# KiCad board mainboard.kicad_pcb (continued)
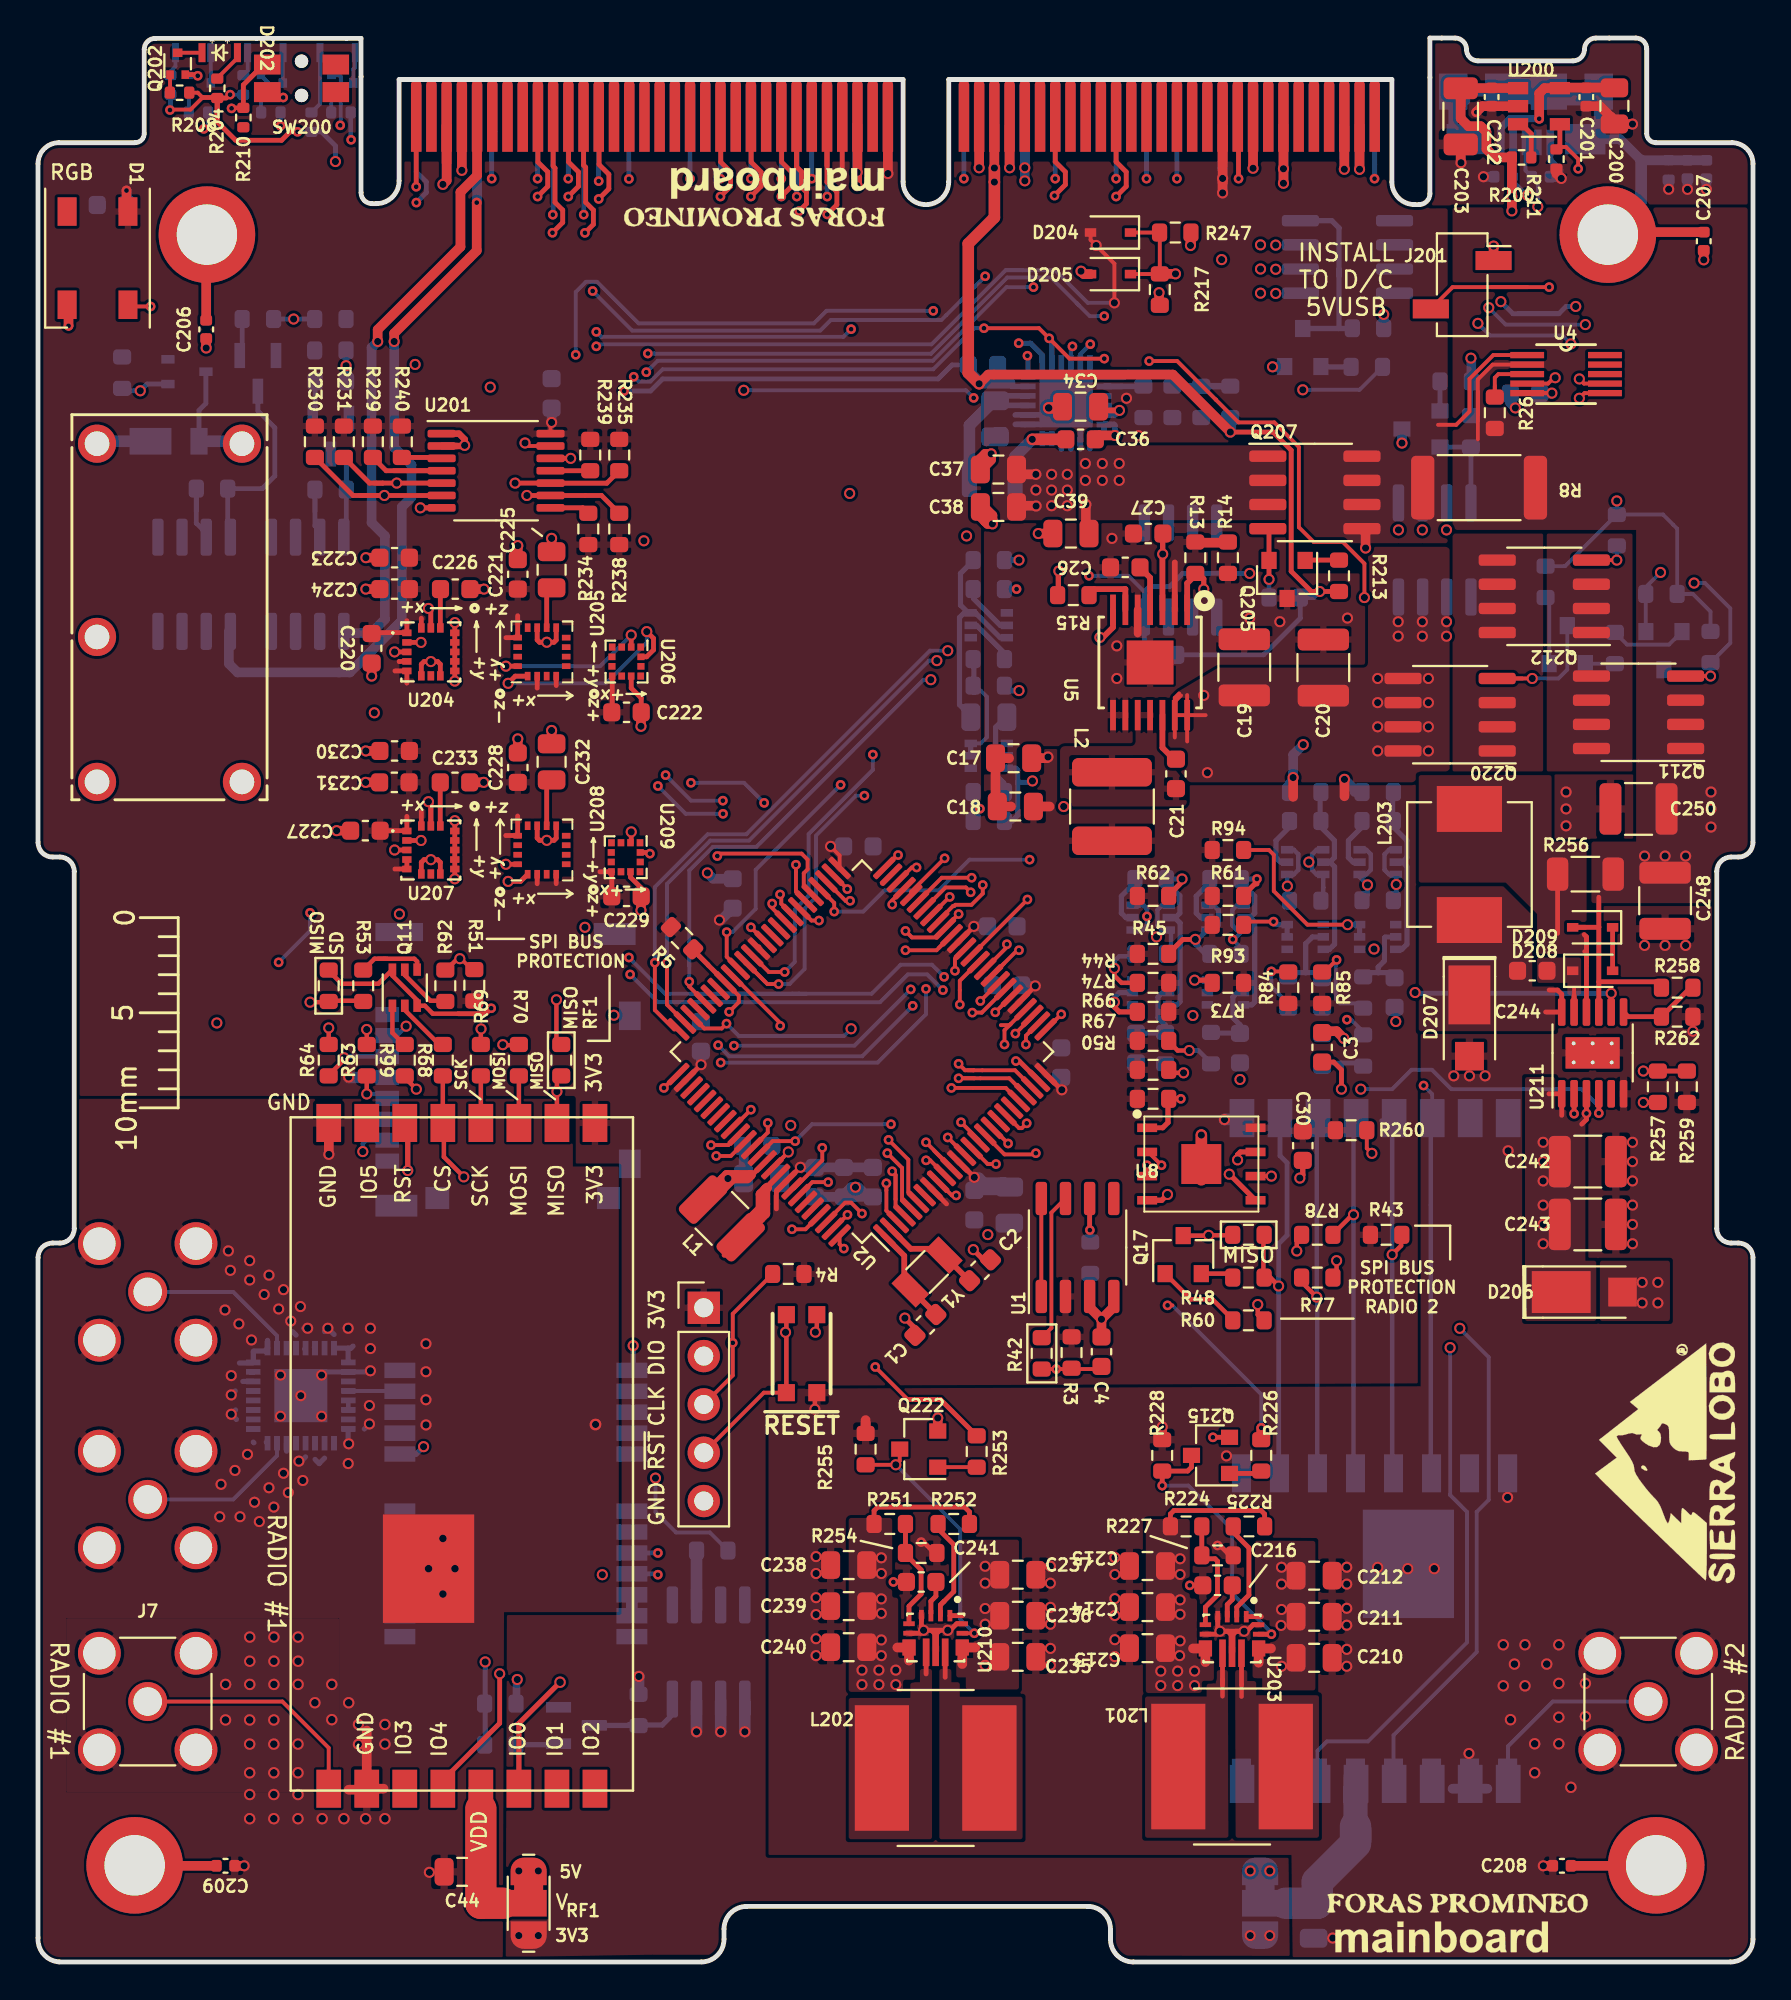
[diagram p0: board, top side]
## Routing (per net, layer and track width the routed paths; a pad name or vN(x,y) marks a point on that pad's centre or on a via; arc(x,y) is an arc through that point) (continued)
Net-(D4-PadA): length 6.2
  Bottom w0.254: 8.38,80.02 D4.A 8.46,81.57 8.83,81.94 Q6.3
  Bottom w0.61: U16.5 10.59,79.95 D4.A
Net-(D200-Pad1): length 1.6
  Bottom w0.203: Q200.3 D200.1
Net-(D200-Pad2): length 1.4
  Bottom w0.203: D200.2 7.22,99.65 6.96,99.39 R202.2 7.06,99.19
Net-(D201-Pad1): length 1.6
  Bottom w0.203: Q201.3 12.87,100.36 D201.1
Net-(D201-Pad2): length 1.3
  Bottom w0.203: R203.2 11.02,99.42 D201.2
Net-(D202-Pad1): length 1.3
  Top w0.203: D202.1 8.62,100.37 Q202.3
Net-(D202-Pad2): length 1.8
  Top w0.203: R204.2 9.42,99.03 10.48,100.09 D202.2
Net-(D203-Pad1): length 1.6
  Bottom w0.203: Q203.3 16.58,99.52 16.65,99.59 16.65,100.38
Net-(D203-Pad2): length 3.3
  Bottom w0.203: R205.2 14.82,97.68 D203.2
Net-(D208-Pad2): length 2.3
  Top w0.254: D209.1 D208.2
Net-(J5-Pad1): length 8.4
  Bottom w0.203: U13.15 12.57,26.62 10.26,24.32 J5.1
Net-(J6-Pad1): length 8.4
  Bottom w0.203: U13.26 12.57,32.92 10.26,35.23 J6.1
Net-(L1-Pad2): length 7.6
  Top w0.254: 38.24,40.61 38.24,40.65 38.92,41.33
  Top w0.272: 36.11,37.19 36.08,37.16
  Top w0.508: 37,38.61 38.24,39.85 ; 37.99,39.09 37.99,40.36 38.34,40.71 ; 38.24,40.61 38.24,39.34 37,38.1 L1.2
Net-(L201-Pad1): length 2.3
  Top w0.235: 63.28,14.6 63.28,13.95
  Top w0.254: U203.11 63.28,14.6
Net-(L201-Pad2): length 2.5
  Top w0.235: 62.28,14.84 62.28,13.97
  Top w0.254: 62.28,14.6 U203.9
Net-(L202-Pad1): length 1.3
  Top w0.254: 47.7,16.28 47.7,14.97
Net-(L202-Pad2): length 1.1
  Top w0.254: 46.7,16.28 46.7,15.14
Net-(L203-Pad1): length 8.7
  Top w0.203: 81.41,53 81.3,53.12
  Top w0.254: 81.41,49.94 81.41,52.56 ; 81.41,52.56 81.41,53.83 ; 81.41,52.56 81.41,53.89 81.3,54.01 ; R256.2 79.9,54.08
Net-(Q1-Pad1): length 2.2
  Bottom w0.272: Q1.1 27.3,11.42 25.16,11.42
Net-(Q1-Pad3): length 4.2
  Bottom w0.279: 33.23,12.87 32.82,12.46 31.07,12.46 31.04,12.44 Q1.3
Net-(Q2-Pad2): length 6.3
  Bottom w0.203: Q2.3 49.57,64.06 49.89,64.39 49.89,66.51 49.56,66.84 49.16,66.84
  Bottom w0.272: Q2.3 Q2.2 ; 49.2,68.36 49.2,66.74
Net-(Q3-Pad2): length 2.8
  Bottom w0.272: 50.78,68.36 50.78,68.84 49.35,70.27 Q3.2
Net-(Q3-Pad5): length 2.8
  Bottom w0.272: 49.2,72.17 49.2,71.66 50.59,70.27 Q3.5
Net-(Q4-Pad1): length 2
  Bottom w0.254: R32.1 10.73,84.58 Q4.1
Net-(Q5-Pad1): length 2
  Bottom w0.254: Q5.1 14.57,81.28 R33.1
Net-(Q7-Pad2): length 2.7
  Bottom w0.272: Q7.2 61.14,54.9 60.9,55.14 60.9,56.03 61.65,56.78 61.65,56.81
Net-(Q8-Pad2): length 2.7
  Bottom w0.272: Q8.2 57.2,54.9 56.96,55.14 56.96,56.03 57.71,56.78 57.71,56.81
Net-(Q11-Pad1): length 2.3
  Top w0.235: 19.28,48.2 18.63,48.85 Q11.1
Net-(Q11-Pad2): length 3
  Top w0.235: Q11.2 19.28,50.05 21.13,48.2 21.28,48.2
Net-(Q11-Pad4): length 4.6
  Top w0.203: 18.36,52.74 17.69,52.74
  Top w0.235: 17.91,52.74 18.24,52.74 ; 18.24,52.74 17.69,52.74 R53.1 ; 18.24,52.74 19.79,52.74 19.93,52.59 Q11.4
Net-(Q11-Pad5): length 2.8
  Top w0.235: 21.28,50.53 20.63,50.53 19.28,51.88 Q11.5
Net-(Q12-Pad2): length 2.3
  Top w0.272: 61.78,51.47 61.63,51.62 v1(60.81,51.62)
  Bottom w0.272: v1(60.81,51.62) 60.81,51.62 Q12.3 Q12.2
Net-(Q12-Pad6): length 9.7
  Top w0.272: 64.09,56.68 63.99,56.68 63.35,56.05
  Bottom w0.272: 63.73,54.9 63.97,55.14 63.97,56.03 63.2,56.81 63.22,56.81 ; 63.73,54.9 63.97,54.66 63.97,50.47 63.82,50.32 Q12.6 ; 63.73,54.9 Q7.5 ; 63.22,56.93 v3(64.09,56.93)
Net-(Q13-Pad2): length 3.6
  Top w0.272: 57.84,49.95 56.85,49.95 56.59,50.2 v1(56.59,50.46)
  Bottom w0.272: Q13.3 Q13.2 56.85,50.97 56.59,50.71 v1(56.59,50.46)
Net-(Q13-Pad6): length 10.8
  Top w0.203: v1(60.15,56.93) 60.15,56.74 R62.2
  Top w0.272: 60.05,56.68 59.41,56.05
  Bottom w0.272: Q8.5 59.8,54.9 60.04,55.14 60.04,56.06 59.29,56.81 ; Q13.6 59.88,50.32 60.05,50.48 60.05,54.62 59.77,54.9 ; 59.29,56.93 v1(60.15,56.93)
Net-(Q15-Pad2): length 2.7
  Bottom w0.272: Q15.2 65.33,57.82 65.09,58.06 65.09,58.95 65.86,59.73 65.84,59.73
Net-(Q15-Pad5): length 9.3
  Bottom w0.272: 67.93,57.82 68.17,57.58 68.17,53.51 67.9,53.24 Q18.6 ; 67.93,57.82 Q15.5 ; 67.93,57.82 68.16,58.06 68.16,58.95 67.41,59.7 67.41,61.25
Net-(Q16-Pad2): length 2.7
  Bottom w0.272: Q16.2 69.14,57.82 68.9,58.06 68.9,58.95 69.65,59.7 69.65,59.73
Net-(Q16-Pad5): length 9.3
  Bottom w0.272: 71.22,61.25 71.22,59.7 71.97,58.95 71.97,58.06 71.74,57.82 ; Q19.6 71.71,53.24 71.98,53.5 71.98,57.58 71.74,57.82 ; 71.74,57.82 Q16.5
Net-(Q17-Pad1): length 4.6
  Top w0.235: 62.85,33.73 61.75,34.84 60.61,34.84 Q17.1
Net-(Q17-Pad2): length 1.8
  Top w0.235: 62.85,35.98 62.65,36.19 Q17.2
Net-(Q18-Pad2): length 3.3
  Top w0.203: v3(64.96,54.69) 63.56,54.69 R93.2
  Top w0.272: 63.35,54.52 63.52,54.69
  Bottom w0.272: Q18.2 Q18.3 65.12,54.54 v3(64.96,54.69)
Net-(Q19-Pad2): length 9.5
  Top w0.203: v1(68.85,54.53) 66.74,54.53 64.98,56.3 64.98,58.2 64.72,58.46 R94.2
  Bottom w0.272: v1(68.85,54.53) 68.86,54.54 Q19.3 Q19.2
Net-(Q20-Pad4): length 9.9
  Bottom w0.254: 10.04,75.2 9.97,75.26 R37.1 11.79,77.46 12.45,78.12 12.45,80.66 11.56,81.55 Q4.3
Net-(Q21-Pad4): length 4.9
  Bottom w0.254: Q5.3 15.99,79.27 16.21,79.06 R38.1 16.21,75.12 16.23,75.1
Net-(Q200-Pad1): length 1.2
  Bottom w0.203: Q200.1 7.93,97.24 R206.1
Net-(Q201-Pad1): length 1.2
  Bottom w0.203: R207.1 11.72,97.25 Q201.1
Net-(Q202-Pad1): length 1
  Top w0.203: R208.1 6.94,98.28 Q202.1
Net-(Q203-Pad1): length 1.2
  Bottom w0.203: Q203.1 15.42,98.37 R209.1
Net-(Q204-Pad1): length 1.6
  Bottom w0.279: R212.1 67.47,83.86 Q204.1
Net-(Q204-Pad3): length 11.6
  Bottom w0.279: 68.4,89 68.4,85.92 68.36,85.87 ; 68.4,89 68.4,91.16 68.02,91.54 Q208.4 ; 68.4,89 68.4,88.62 ; 67.63,85.87 Q204.3 68.36,85.87 ; 68.36,85.87 69.09,85.87 R215.1
Net-(Q205-Pad1): length 1.8
  Top w0.254: Q205.1 66.64,73.7 R213.1
Net-(Q205-Pad2): length 3.7
  Top w0.254: 64.72,72.62 v1(64.72,72.68) Q205.2 64.72,75.28 Q207.4
  Bottom w0.254: v1(64.72,72.68) 64.72,72.68 R216.2
Net-(Q209-Pad1): length 1.6
  Bottom w0.203: 82.88,68.28 R250.1 81.36,68.25 Q209.1
Net-(Q209-Pad2): length 3.6
  Bottom w0.203: Q209.2 79.46,71.54 R248.2
Net-(Q209-Pad3): length 7.5
  Top w0.203: v1(78.56,67.48) Q220.4 78.06,67.48
  Bottom w0.203: Q209.3 80.41,67.94 79.94,67.48 v1(78.56,67.48)
Net-(Q210-Pad1): length 1.6
  Bottom w0.254: Q210.1 R218.1
Net-(Q210-Pad2): length 4.6
  Bottom w0.254: Q213.4 R219.2 Q210.2
Net-(Q215-Pad1): length 1.7
  Top w0.254: Q215.1 64.19,25.68 R226.1
Net-(Q221-Pad2): length 4.1
  Bottom w0.203: R250.2 83.55,69.26 85.76,69.26 Q221.2
Net-(Q222-Pad1): length 2
  Top w0.203: R253.1 49.35,26.01 Q222.1
Net-(R13-Pad1): length 4.1
  Top w0.305: U5.2 59.77,73.57
  Top w0.508: 62.56,74.61 60.98,74.61
Net-(R15-Pad1): length 3.2
  Top w0.305: U5.6 57.17,72.17 57.17,72.17 55.54,72.17 55.22,71.86
Net-(R24-Pad1): length 20.8
  In2.Cu w0.203: v1(20.27,27.09) 21.92,25.44 v1(32.46,25.44)
  Bottom w0.203: v1(32.46,25.44) 32.46,23.66 33.54,22.58 35.32,22.58 R24.1 36.15,21.63
  Bottom w0.279: v1(20.27,27.09) 19.88,26.7 U14.8
Net-(R26-Pad2): length 2.9
  Top w0.203: U4.3 76.79,83.48 76.6,83.29 76.6,82.52 76.6,82.84
Net-(R36-Pad2): length 3
  Bottom w0.279: 56.99,82.83 57,82.84
  Bottom w0.293: R36.2 58.11,82.83 U17.8
  Bottom w0.3: U17.8 56.99,82.83
Net-(R42-Pad2): length 7.8
  Top w0.203: R42.2 53.28,33.33 53.28,39.39 U1.7
Net-(R224-Pad2): length 5.9
  Top w0.254: 61.19,22.59 61.19,21.2 61.19,21.2 61.89,21.2 62.02,21.07 62.02,19.29 61.38,18.65 U203.5
Net-(R225-Pad2): length 5
  Top w0.254: 62.84,22.59 63.67,21.77 63.67,19.29 63.03,18.65 U203.2
Net-(R229-Pad2): length 6.4
  Top w0.254: R229.2 18.3,78.4 U201.4 18.71,78.4
Net-(R234-Pad2): length 2.1
  Top w0.254: R234.2 28.65,76.45 U201.8
Net-(R239-Pad2): length 2.1
  Top w0.254: R239.2 U201.11
Net-(R240-Pad2): length 2.1
  Top w0.254: R240.2 21.17,79.1 U201.3
Net-(R251-Pad2): length 5.6
  Top w0.254: 45.8,17.78 45.8,18.7 46.43,19.34 46.43,20.61 45.67,21.37 45.61,21.37 45.61,21.37 45.61,22.77
Net-(R252-Pad2): length 5.4
  Top w0.254: 47.32,22.77 48.15,21.95 48.15,19.47 47.64,18.96 ; 47.64,18.96 47.51,18.83 ; 47.64,18.96 47.45,18.77 U210.2
Net-(R257-Pad2): length 8.1
  Top w0.254: U211.2 v3(80.76,44.59) ; v1(84.41,46.84) R257.2 R259.1
  In2.Cu w0.254: v1(84.41,46.84) 83.52,45.95 81.76,45.95 80.76,44.95 v3(80.76,44.59)
Net-(R258-Pad2): length 4.5
  Top w0.254: R262.1 85.36,49.82 ; R262.1 83.61,49.7 U211.7 ; R262.1 86.88,51.22 R258.2
Net-(U1-Pad1): length 5.2
  Top w0.203: U1.1 U1.8
Net-(U2-Pad49): length 0.7
  Top w0.203: U2.49 44.38,56.69

## Copper pours and planes (outline as drawn; the poured copper is in the pictures)
3.3V on Top: 88.16,0 1.99,0 1.68,0.02 1.37,0.1 1.08,0.22 0.81,0.38 0.58,0.59 0.37,0.82 0.21,1.09 0.09,1.38 -0.01,2 0.21,101.13 16.97,101.13 16.97,94.65 73.23,94.65 73.23,101.13 90.12,101.13 90.16,93.88 90.16,2 90.14,1.69 90.06,1.38 89.94,1.09 89.78,0.82 89.57,0.59 89.34,0.38 89.07,0.22 88.78,0.1
GND on Top: 49.74,83.6 59.9,83.6 62.69,80.43 64.98,80.43 65.93,79.41 65.93,73 69.8,73 69.8,70.97 70.31,70.4 70.25,70.33 70.25,68.17 62.05,68.05 60.15,66.46 57.74,66.46 57.74,63.92 51.45,63.92 51.45,60.55 49.74,60.55
GND on Top: 15.83,8.93 1.48,8.93 1.48,18.07 15.83,18.07
GND on Top: 28.12,41.82 30.53,41.82 30.53,18.39 24.5,18.39 24.44,0.1 32.31,0.23 65.97,0.17 65.9,5.63 38.41,5.63 38.41,30.14 72.7,30.26 72.7,62.52 90.29,62.52 90.22,0.04 0.05,0.04 0.05,45.38 28.12,45.38
GND on Bottom: 68.21,91.16 68.28,86.09 66.09,86.09 66.09,86.65 62.28,86.65 62.28,91.17
GND on Bottom: 13.82,31.03 19.76,31.03 19.76,28.99 13.82,28.99 13.82,20.1 1.37,20.1 1.37,39.41 13.82,39.41
GND on Bottom: 16.97,101.13 16.97,94.65 73.1,94.65 73.23,101.13 90.12,101.13 90.16,93.88 90.16,2 90.14,1.69 90.06,1.38 89.94,1.09 89.78,0.82 89.57,0.59 89.34,0.38 89.07,0.22 88.78,0.1 88.16,0 1.99,0 1.68,0.02 1.37,0.1 1.08,0.22 0.81,0.38 0.58,0.59 0.37,0.82 0.21,1.09 0.09,1.38 -0.01,2 -0.01,101.13
GND on Bottom: 90.19,8.42 75.14,8.42 75.14,18.71 90.19,18.71
GND on Bottom: 8.94,35.55 32.21,35.55 32.21,3.98 11.25,3.95 11.25,19.04 8.94,19.04
GND on In1.Cu: 0.02,101.13 16.97,101.13 16.91,94.65 73.17,94.65 73.17,101.13 90.12,101.13 90.25,0.04 -0.05,0.04
GND on In2.Cu: -0.05,40.42 10.72,40.42 21.48,34.71 21.48,27.85 20.02,27.47 19.51,26.2 10.72,19.53 -0.05,19.53
GND on In2.Cu: 90.19,0.04 -0.05,-0.03 0.02,101.13 17.03,101.13 16.97,94.65 73.17,94.65 73.17,101.13 90.12,101.13
GND on In4.Cu: 90.15,8.46 75.1,8.46 75.1,18.75 90.15,18.75
GND on In4.Cu: -0.05,40.42 10.72,40.42 21.48,34.71 21.48,27.85 20.02,27.47 19.51,26.2 10.72,19.53 -0.05,19.53
VBATT on Top: 72.98,94.65 72.98,92.24 74.12,92.24 74.12,74.59 65.93,74.59 65.86,79.48 64.98,80.43 62.69,80.43 59.71,83.41 48.91,83.54 48.91,90.4 50.37,91.73 50.43,94.65
VBATT_RET on Top: 90.19,92.37 82.5,92.37 73.21,92.34 73.23,101.13 90.12,101.13
VBATT_RET on Bottom: 73.23,101.13 73.23,94.65 16.97,94.53 16.97,92.24 19.51,89.7 27.26,89.7 29.23,87.67 31.32,85.45 41.93,85.51 48.72,85.51 49.28,85.48 49.29,83.67 49.8,83.29 49.84,82.84 49.84,79.95 49.86,74.46 50.69,74.46 70.36,74.41 70.36,79.13 73.15,79.13 73.15,83.71 75.03,83.71 75.03,85.89 90.17,85.94 90.12,101.13
VBUS on Top: 51.58,14.33 48.78,14.33 48.78,14.96 48.28,14.96 48.28,15.98 49.16,15.98 49.16,18.01 48.4,18.01 48.4,22.2 51.58,22.2
VBUS on Top: 67.16,14.27 64.37,14.27 64.37,14.91 63.86,14.91 63.86,15.93 64.75,15.93 64.75,17.96 63.99,17.96 63.99,22.15 65.13,22.15 67.16,22.14
VBUS on Top: 69.93,74.4 74.25,74.4 74.25,62.59 72.47,62.59 72.47,62.01 60.53,62.01 59.08,63.79 59.08,64.66 60.76,64.66 60.76,66.43 59.44,66.48 62.05,68.05 69.93,68.05
VBUS on Bottom: 76.04,69.26 70.81,69.25 70.82,74.59 75.9,74.59
VBUS on In2.Cu: 90.12,19.09 74.37,19.09 74.37,15.53 62.05,15.53 62.05,21.25 58.24,21.25 58.24,15.53 28.27,15.53 35.31,21.53 38.71,21.58 42.32,25.03 44.53,30.26 44.66,34.07 66.94,34.07 66.88,42.71 66.88,49.82 68.85,51.98 70.31,53.38 70.31,60.05 66.31,64.11 66.25,67.09 72.09,72.94 90.06,72.87
VBUS_INHIBIT on Top: 90.12,58.39 90.12,55.66 81.68,55.66 81.68,58.9 84.03,58.9 84.03,75.29 74.37,75.29 74.37,92.24 90.19,92.24
VBUS_INHIBIT on Bottom: 90.19,55.66 83.71,55.66 83.71,62.14 90.19,62.14
VBUS_USB on Top: 54.56,75.79 50.12,75.79 50.12,79.67 54.56,79.73
VBUS_USB on Bottom: 75.39,74.78 70.36,74.78 70.36,78.98 75.39,78.98
VBUS_USB on Bottom: 54.5,76.17 51.7,76.17 51.64,79.41 52.28,80.05 53.55,80.05 53.55,80.56 54.5,80.56
VBUS_USB on In3.Cu: 74.5,74.46 52.02,74.46 52.02,81.06 74.5,81.06
VCC_MHX on Top: 60.56,19.1 60.94,19.1 60.94,15.93 61.83,15.93 61.83,14.78 61.19,14.78 61.19,14.15 58.24,14.14 58.24,23.28 60.56,23.29
VCC_MHX on In2.Cu: 74.37,0.04 22.94,-0.28 22.94,15.15 58.5,15.15 58.5,20.99 61.8,20.99 61.8,15.15 74.37,15.15
VCC_MHX on In3.Cu: 62.44,12.99 48.02,12.99 48.02,20.8 45.54,20.8 45.67,94.65 62.69,94.65
VCC_PAYLOAD on Top: 44.91,19.15 45.23,19.15 45.23,15.98 46.12,15.98 46.12,14.83 45.48,14.83 45.48,14.2 42.62,14.2 42.62,23.34 44.91,23.34
VCC_PAYLOAD on In3.Cu: 45.16,20.49 47.7,20.49 47.7,12.99 29.1,12.99 29.23,94.65 45.16,94.65
/Burn Wires/VBURN_A_IN on Bottom: 1.53,76.34 16.89,76.34 16.89,72.28 4.96,72.28 4.96,68.34 1.53,68.34
/SLI_Card/CHS on In3.Cu: 88.17,0.01 2,0.01 1.69,0.03 1.38,0.1 1.09,0.22 0.82,0.39 0.59,0.59 0.38,0.83 0.22,1.1 0.1,1.39 0,2.01 0.22,101.14 16.98,101.14 16.98,94.66 73.24,94.66 73.24,101.14 90.13,101.14 90.17,93.89 90.17,2.01 90.15,1.69 90.07,1.39 89.95,1.1 89.79,0.83 89.58,0.59 89.35,0.39 89.08,0.22 88.79,0.1
/SLI_Card/CHS on In4.Cu: 88.16,0 1.99,0 1.68,0.02 1.37,0.1 1.08,0.22 0.81,0.38 0.58,0.59 0.37,0.82 0.21,1.09 0.09,1.38 -0.01,2 0.21,101.13 16.97,101.13 16.97,94.65 73.23,94.65 73.23,101.13 90.12,101.13 90.16,93.88 90.16,2 90.14,1.69 90.06,1.38 89.94,1.09 89.78,0.82 89.57,0.59 89.34,0.38 89.07,0.22 88.78,0.1
GPS_PWR_IN on Bottom: 30.3,20.1 37.92,20.1 37.92,17.44 30.3,17.44
VBURN1 on Bottom: 5.08,72.12 11.23,72.12 11.23,68.34 5.08,68.34
VBURN2 on Bottom: 11.38,72.12 16.92,72.12 16.89,68.34 11.38,68.34
VCHRG_USB on Top: 65.86,75.79 54.63,75.79 54.63,79.73 65.86,79.73
VCHRG_USB on Bottom: 57.36,79.41 57.36,76.17 54.63,76.17 54.63,80.56 55.77,80.56
VSOLAR on Top: 85.8,33.69 82.12,33.69 82.12,36.87 85.8,36.87
VSOLAR on In4.Cu: 74.63,36.87 85.61,36.87 85.61,29.5 61.74,29.5 61.77,57.51 61.42,66.59 55.83,66.59 40.59,81.83 21.8,81.83 19,84.56 19,94.53 74.63,94.53
Net-(C21-Pad1) on Top: 57.71,66.28 58.93,66.28 58.93,63.73 60.4,61.95 60.4,60.74 53.74,60.74 53.74,63.92 57.71,63.92
Net-(C242-Pad1) on Top: 81.36,44.81 81.36,36.87 81.93,36.87 81.93,33.69 78.18,33.69 78.18,46.52 79.77,46.52 79.77,44.81
Net-(C242-Pad1) on Bottom: 81.04,45.63 81.74,44.93 81.74,44.04 81.1,44.04 81.1,37.06 78.18,37.06 78.18,45.63
Net-(C244-Pad1) on Top: 78.56,55.03 78.56,51.28 79.77,51.28 79.77,48.93 72.6,48.93 72.6,56.55 77.04,56.55
Net-(C244-Pad2) on Top: 81.8,52.81 81.8,50.84 80.41,50.84 80.41,51.47 78.82,51.47 78.82,52.81
Net-(L201-Pad1) on Top: 62.97,6.53 62.94,14.66 62.94,15.34 63.58,15.34 63.58,14.77 64.05,14.77 64.05,14.02 67.35,14.02 67.35,6.53
Net-(L201-Pad2) on Top: 62.59,6.53 58.21,6.53 58.21,13.96 61.45,13.96 61.45,14.66 61.93,14.64 61.93,15.34 62.56,15.34
Net-(L202-Pad1) on Top: 47.39,6.45 47.39,15.41 48.02,15.41 48.02,14.71 48.47,14.71 48.47,13.94 51.77,13.94 51.77,6.45
Net-(L202-Pad2) on Top: 47.01,6.45 42.62,6.45 42.62,13.88 45.86,13.88 45.86,14.71 46.37,14.71 46.37,15.41 47.01,15.41
Net-(L203-Pad1) on Top: 79.58,58.9 81.42,58.9 81.42,53 78.82,53 78.82,55.09 77.17,56.74 72.6,56.74 72.6,62.4 79.58,62.4
Net-(Q211-Pad5) on Top: 83.84,62.59 79.33,62.59 79.33,75.1 83.84,75.1
Net-(Q212-Pad5) on Top: 79.14,62.59 74.37,62.59 74.37,75.1 79.14,75.1
Net-(R13-Pad1) on Top: 61.52,74.97 61.52,72.94 60.4,72.43 60.4,70.78 59.13,70.78 59.13,74.97

## Text on the board
B.Mask: HILLIS
B.SilkS: RF2 | 3V3 | ADJ | SWDIO | SWCLK | V | ~{RESET} | GND | RADIO #1 | IO2 | IO1 | MISO | IO0 | MOSI | SCK | IO4 | CS | IO3 | RST | ANT | RADIO #2 | 1
Dwgs.User: TODO: / remove pycubed mounting holes to ours, isloate gnd from chassis on the board / remove usbc and port our usb mount to the design / add the rgb led to the fins? / maybe remove some of our LEDs? / determine pinouts / fix the xyz coord graphic to new orientation
F.Mask: HILLIS
F.SilkS: SCK | MOSI | MISO | SPI BUS / PROTECTION | RF1 | SPI BUS / PROTECTION / RADIO 2 | 5V | 3V3 | MISO / SD | MISO / RF1 | V | GND | IO5 | RST | IO3 | IO4 | CS | VDD | IO0 | IO1 | IO2 | RGB | DIO | CLK | ~{RST} | RADIO #1 | INSTALL / TO D/C / 5VUSB | RADIO #2 | ~{RESET}
